# Altium PCB Dashcam_V2.0B.PcbDoc (part 5 of 8) (continued)
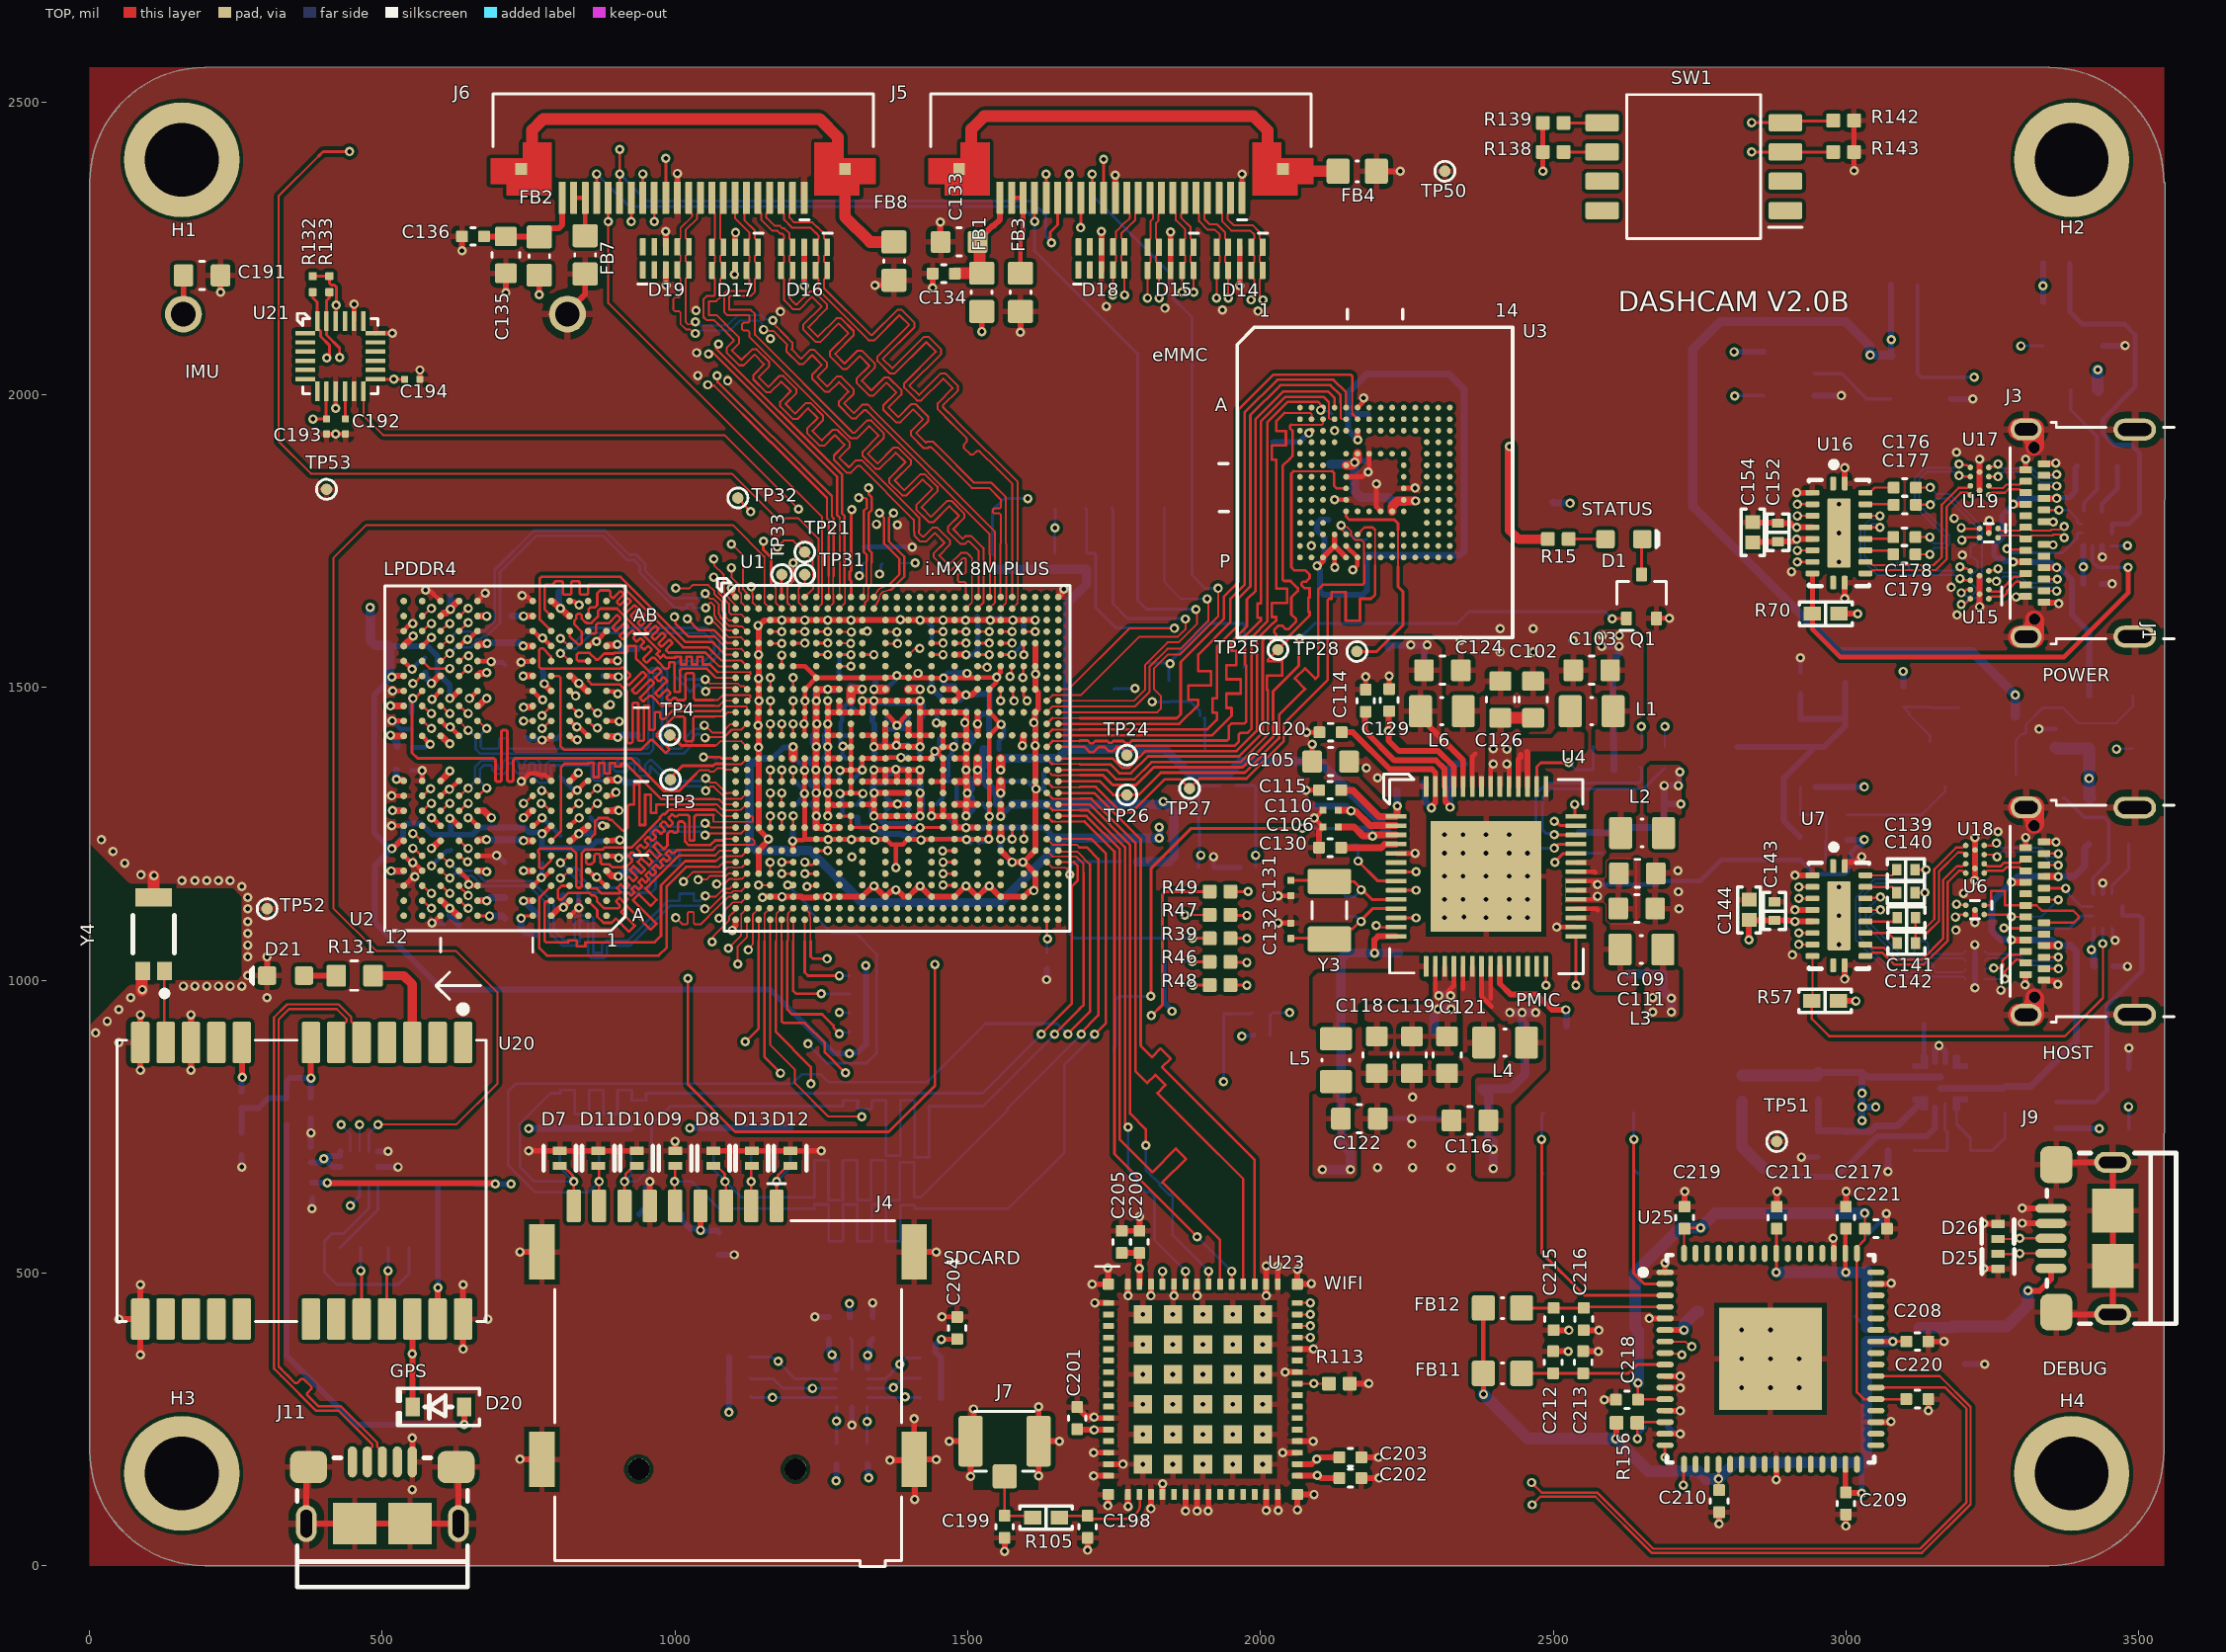
[diagram p0: TOP view]
## Nets (pads, with @x,y where several pads share a name; then routed paths per layer and width w, separated by ;. In a path a pad name is that pad's centre, name@x,y a point inside that pad or via, vN(x,y) a via of type N, cw(c..) or ccw(c..) an arc to the next point about the centre after c; other vN are vias at no path point) (continued)
  TOP w8: C193.1@404.64,1933.07 v1(420.39,1933.07) C192.1@437.01,1933.07 ; v1(420.39,1977) U21.9@420.39,2005.89 ; U21.20@451.89,2126.01 v1(451.89,2154.69) ; U21.18@488.33,2105.32 v1(517,2105.32) ; v1(516,1263.78) U2.G12@536.53,1263.78 ; v1(516,1314.96) U2.J12@536.53,1314.96 ; v2(516.74,1443.2) 516.88,1443.06 536.39,1443.06 U2.P12@536.53,1442.92 ; v2(517.74,1494.28) 517.83,1494.19 536.44,1494.19 U2.T12@536.53,1494.1 ; U2.C12@536.53,1161.42 549.11,1174 552,1174 554.75,1176.75 v1(555.58,1176.75) ; U2.E12@536.53,1212.6 537.47,1212.6 547.59,1202.48 550.43,1202.48 v1(551.95,1200.95) ; U2.V12@536.53,1545.28 536.63,1545.28 550.63,1531.28 v2(550.74,1531.28) ; U2.Y12@536.53,1596.46 537.2,1597.13 537.2,1598.23 546.72,1607.75 550.21,1607.75 v2(551.74,1609.28) ; v1@552,1201 553,1200 555.04,1200 U2.D11@568.03,1187.01 ; C194.1@564.17,2026.58 v1(564.17,2042.33) ; U2.K11@568.03,1340.55 v1(568.03,1358) ; U2.N11@568.03,1417.33 568.03,1417.18 581.79,1403.42 v2(581.79,1403.28) ; U2.W11@568.03,1570.87 568.68,1570.87 583.09,1585.28 v2(583.74,1585.28) ; v2(573.74,1666.28) 575.26,1664.75 582.41,1664.75 U2.AB10@599.52,1647.64 ; v1(583.85,1277.35) 585.95,1277.35 U2.G10@599.52,1263.78 ; v1(585,1098) 586.33,1098 598.57,1110.24 U2.A10@599.52,1110.24 ; v2@585,1480 585.42,1480 U2.T10@599.52,1494.1 ; U2.J10@599.52,1314.96 600.46,1314.96 609.98,1324.47 613.11,1324.47 v1(614.64,1326) 615.56,1326 630.1,1340.55 U2.K9@631.02,1340.55 ; U2.P10@599.52,1442.92 600.46,1442.92 609.58,1433.8 614.21,1433.8 v2(615.74,1432.28) 615.9,1432.28 630.85,1417.33 U2.N9@631.02,1417.33 ; U2.D9@631.02,1187.01 645.47,1172.55 645.47,1167.81 647.63,1165.65 v1(647.63,1163.49) ; U2.W9@631.02,1570.87 631.96,1570.87 641.85,1580.75 644.21,1580.75 v2(645.74,1582.28) 647.39,1582.28 661.57,1596.46 U2.Y8@662.52,1596.46 ; v1(646.67,1277.32) 648.68,1277.32 662.22,1263.78 U2.G8@662.52,1263.78 ; v1@647.63,1167 647.63,1165.78 651.32,1162.09 661.85,1162.09 U2.C8@662.52,1161.42 ; v2@649,1481 662.1,1494.1 U2.T8@662.52,1494.1 ; U2.E8@662.52,1212.6 694.6,1212.6 v1(695,1213) ; U2.V8@662.52,1545 685.01,1545 v2(685.74,1544.28) ; U2.AB8@662.52,1647.64 662.52,1647.85 675.74,1661.07 v2(675.74,1661.28) ; v1(737,1543) 739,1543 740.61,1544.61 756.33,1544.61 U2.V5@757,1545.28 ; v1(737.26,1339.89) 738.3,1339.89 751.72,1353.3 763.73,1353.3 766.03,1351 778.05,1351 U2.K4@788.5,1340.55 ; v2(738.74,1657.28) 740.26,1655.75 747.94,1655.75 756.05,1647.64 U2.AB5@757,1647.64 ; U2.C5@757,1161.42 757.44,1161.42 771.3,1175.28 v2(771.74,1175.28) 773.26,1176.8 777.35,1176.8 787.55,1187.01 U2.D4@788.5,1187.01 ; U2.G5@757,1263.78 757.94,1263.78 759.56,1265.39 760.85,1265.39 v2(772.74,1277.28) ; U2.T5@757,1494.1 771.1,1480 v2@772,1480 ; U2.Y5@757,1596.46 757.94,1596.46 768.41,1585.99 772.02,1585.99 v2(773.55,1584.46) ; v2(772.74,1410.29) 774.26,1411.82 782.04,1411.82 787.55,1417.33 U2.N4@788.5,1417.33 ; v2@773.89,1584.8 787.82,1570.87 U2.W4@788.5,1570.87 ; U2.G3@820,1263.78 820.66,1263.78 832.88,1276 835,1276 v1(836,1277) ; U2.J3@820,1314.96 820.94,1314.96 829.99,1324 831,1324 831.67,1324.67 v1(833,1324.67) 848.21,1339.88 850.82,1339.88 U2.K2@851.49,1340.55 ; U2.P3@820,1442.92 820.94,1442.92 831.15,1432.71 v1(832.38,1432.71) 833.91,1431.19 837.75,1431.19 851.49,1417.45 U2.N2@851.49,1417.33 ; U2.T3@820,1494.1 828.66,1485.43 v1(830.18,1485.43) ; U2.AB3@820,1647.64 820.67,1646.97 828.1,1646.97 833.88,1641.19 v2(836.04,1641.19) ; U2.A3@820.62,1109.62 834.78,1123.78 v1(835.84,1123.78) ; U2.D2@851.49,1187.01 852.43,1187.01 861.91,1177.53 864.95,1177.53 v1@866.34,1176.14 ; U2.W2@851.49,1570.87 852.43,1570.87 862.57,1581 v2@865,1581 ; v2(865.74,1578.67) 865.74,1578.94 882.99,1596.19 U2.Y1@882.99,1596.46 ; v1(866.2,1176) 866.48,1176 879.45,1163.03 880.42,1163.03 882.04,1161.42 U2.C1@882.99,1161.42 ; v1(876.19,1263.78) U2.G1@882.99,1263.78 ; U2.E1@882.99,1212.6 883.66,1211.93 898.64,1211.93 901.84,1208.73 v1(904,1208.73) ; U2.J1@882.99,1314.96 883.66,1315.63 893.63,1315.63 v1(899,1321) ; U2.P1@882.99,1442.92 883.35,1442.55 904.44,1442.55 v1(904.81,1442.19) ; U2.T1@882.99,1494.1 883.66,1493.43 895.41,1493.43 899.84,1489 v1(902,1489) ; U2.V1@882.99,1545.28 900.72,1545.28 v2@901,1545 ; J6.12@1003.94,2336.61 v1(1003.94,2378) ; v2(1096.29,1669.68) 1097.82,1668.15 1097.82,1661.09 1103.46,1655.45 U1.A1@1103.46,1654.53 ; U1.AC6@1201.88,1221.46 1201.23,1222.11 1201.23,1237.77 v1(1201,1238) 1202.53,1239.53 1219.53,1239.53 1221.57,1241.57 U1.AA7@1221.57,1260.83 U1.W7@1221.57,1300.2 1221.28,1300.48 1221.28,1318.72 v1(1221,1319) 1221.28,1319.28 1221.28,1339.28 U1.U7@1221.57,1339.57 U1.U7@1221.57,1339.57 1221.52,1358.4 v1(1221.48,1358.44) ; U1.G6@1201.88,1536.42 1221.57,1536.42 U1.H8@1241.25,1516.73 ; v1(1220.49,1437.97) 1221.03,1437.43 1221.03,1418.85 U1.N7@1221.57,1418.31 ; 1221.18,1240.75 1240.86,1240.75 U1.AB8@1241.25,1241.14 1241.64,1240.75 1261.42,1240.75 1261.8,1241.14 1262.19,1240.75 1280.23,1240.75 U1.AB10@1280.62,1241.14 1281.01,1240.75 1300.79,1240.75 1301.17,1241.14 1301.56,1240.75 1319.6,1240.75 U1.AB12@1319.99,1241.14 1320.65,1240.49 1339.51,1240.49 v1(1341,1239) 1342.49,1240.49 1358.71,1240.49 U1.AB14@1359.36,1241.14 1360.29,1241.14 1369.43,1232 1376.64,1232 1377.42,1231.22 v1@1377.42,1193.88 ; v1(1221.48,1358.44) v1(1221.48,1358.44) U1.R7@1221.57,1378.94 ; v1@1221.57,1437.21 1222,1437.65 1222,1457.25 U1.L7@1221.57,1457.68 1221.78,1457.89 1221.78,1476.78 v1(1222,1477) 1221.78,1477.22 1221.78,1496.83 U1.J7@1221.57,1497.05 U1.H8@1241.25,1516.73 ; v1(1281.49,1319.1) 1281.88,1319.49 1299.92,1319.49 U1.V11@1300.31,1319.88 ; v1(1281.49,1358.47) 1281.88,1358.86 1299.92,1358.86 U1.T11@1300.31,1359.25 ; v1@1282.93,1398.62 1283.32,1398.23 v1@1286.65,1398.23 ; v1(1286.65,1399.54) v1@1286.65,1398.23 ; U1.M11@1300.31,1437.99 U1.N11@1300.31,1418.31 U1.P11@1300.31,1398.62 ; v1(1321,1319) 1320.56,1319.44 1300.75,1319.44 U1.V11@1300.31,1319.88 ; U1.L14@1359.36,1457.68 1359.36,1456.75 1371.22,1444.9 1371.22,1444.19 1377.49,1437.92 v1@1377.49,1433.51 ; 1378.29,1232 1388.67,1232 1397.81,1241.14 U1.AB16@1398.73,1241.14 1399.39,1240.49 1419.16,1240.49 v1(1419.93,1239.72) ; v1(1378.99,1435.01) 1378.99,1435.51 1387.22,1443.74 1387.22,1445.24 1398.73,1456.75 U1.L16@1398.73,1457.68 ; v1@1419.93,1240.75 1420.19,1240.49 1437.45,1240.49 U1.AB18@1438.1,1241.14 U1.AB20@1477.47,1241.14 1477.86,1240.75 1497.64,1240.75 1498.03,1241.14 1498.42,1240.75 1516.45,1240.75 U1.AB22@1516.84,1241.14 1516.92,1241.07 1535.93,1241.07 v1(1536,1241) 1536.26,1241.26 1536.26,1260.56 1536.77,1261.07 v1@1536.77,1279.48 ; U1.U18@1438.1,1339.57 U1.U19@1457.79,1339.57 ; v1(1443.45,1390.93) 1443.45,1388.77 1438.76,1384.08 1438.76,1379.59 U1.R18@1438.1,1378.94 U1.R17@1418.42,1378.94 U1.R16@1398.73,1378.94 1398.08,1379.59 1386.96,1379.59 v1(1386,1380.55) 1385.7,1380.25 1366.01,1380.25 1365.35,1379.59 1360.02,1379.59 U1.R14@1359.36,1378.94 U1.R13@1339.68,1378.94 U1.R12@1319.99,1378.94 v1(1319.99,1359.25) U1.T11@1300.31,1359.25 ; v1(1446.23,1439.72) 1447.31,1438.65 1457.14,1438.65 U1.M19@1457.79,1437.99 U1.N19@1457.79,1418.31 U1.P19@1457.79,1398.62 ; v1(1456,425) 1456.1,424.9 C204.1@1482,424.9 ; U1.V19@1457.79,1319.88 U1.U19@1457.79,1339.57 ; v1(1476.15,1398.62) U1.P19@1457.79,1398.62 ; U1.L23@1536.53,1457.68 U1.J23@1536.53,1497.05 1549.21,1509.73 v1@1549.21,1516.73 ; U1.L23@1536.53,1457.68 v1@1557.04,1437.21 ; v1(1537.02,1279.73) 1536.77,1279.97 1536.77,1299.95 U1.W23@1536.53,1300.2 U1.U23@1536.53,1339.57 U1.R23@1536.53,1378.94 U1.N23@1536.53,1418.31 v1@1556.21,1437.99 ; v1(1549.56,1517.61) 1549.12,1517.17 1517.28,1517.17 U1.H22@1516.84,1516.73 U1.H20@1477.47,1516.73 1477.08,1516.34 1459.05,1516.34 1458.66,1516.73 1458.27,1516.34 1438.49,1516.34 U1.H18@1438.1,1516.73 U1.H16@1398.73,1516.73 1398.08,1517.39 1384.25,1517.39 1382.58,1519.06 1381.05,1519.06 1378.89,1516.9 1376.73,1519.06 1375.2,1519.06 1373.53,1517.39 1360.02,1517.39 U1.H14@1359.36,1516.73 U1.H12@1319.99,1516.73 U1.H10@1280.62,1516.73 U1.H8@1241.25,1516.73 ; v1@1549.82,1517.61 1549.82,1520.03 1555.56,1525.77 1555.56,1535.76 U1.G24@1556.21,1536.42 ; v1(2030,1098) C132.1@2051.27,1098 ; v1(2030,1144) 2051.27,1144 C131.1@2051.8,1144.53 ; v1(2077.9,1324.52) C115.2@2099.16,1324.52 ; v1(2078.9,1423.52) C120.2@2100.16,1423.52 ; C105.1@2088.3,1374.25 v1(2088.3,1403) ; C106.2@2106.8,1261.52 2092,1276.32 v1(2092,1277) 2094.75,1279.75 2096.03,1279.75 C110.2@2106.8,1290.52 ; v1(2126.53,1820.6) U3.J5@2146.22,1820.6 ; U3.P4@2126.57,1721.45 2126.77,1721.26 2126.77,1705.23 v1(2127,1705) ; U3.N5@2146.22,1741.86 U3.P6@2165.9,1722.18 2165.52,1721.8 2165.52,1708.52 v1(2158,1701) ; U3.G5@2146.22,1859.97 2173.81,1859.97 2181.84,1868 v1(2184,1868) 2185.59,1869.59 U3.E7@2185.59,1899.34 ; U3.A6@2165.9,1978.08 2165.9,1978.62 2176.11,1988.83 v1(2176.11,1994.55) ; C114.1@2179.8,1497.15 v1(2179.8,1518.42) ; v1(2198,1848) 2198,1808.19 U3.K8@2205.27,1800.92 ; C129.1@2219.8,1498.15 v1(2219.8,1519.42) ; U4.5@2231.8,1216.76 2263.76,1216.76 v1(2264,1217) ; U3.H10@2245.37,1840.3 2245.56,1840.49 2264.12,1840.49 v1(2264.32,1840.69) ; v1(2506,1091) 2506.23,1090.77 U4.30@2538.88,1090.77 ; Q1.S@2677.12,1618.12 v1(2698.39,1618.12) ; R142.1@3013.78,2468.5 R143.1@3013.78,2414.76 3013.78,2383.22 v1(3014,2383) ; v1@1286.65,1398.23 1299.92,1398.23 U1.P11@1300.31,1398.62 ; U1.V11@1300.31,1319.88 U1.U11@1300.31,1339.57 U1.T11@1300.31,1359.25 ; U1.T11@1300.31,1359.25 U1.R11@1300.31,1378.94 U1.P11@1300.31,1398.62 ; U1.U19@1457.79,1339.57 U1.T19@1457.79,1359.25 U1.R19@1457.79,1378.94 1457.79,1379.07 1446,1390.86 1446,1391 1447.53,1392.53 1450.77,1392.53 1456.86,1398.62 U1.P19@1457.79,1398.62
  TOP w10: v1(50,421.26) U20.13@86.61,421.26 ; v1(86.61,360) U20.13@86.61,421.26 ; v1(86.61,480) U20.13@86.61,421.26 ; v1(86.61,846.46) U20.12@86.61,893.7 v1(86.61,940.94) ; v1(173.23,846.46) U20.10@173.23,893.7 v1(173.23,940.94) ; v1(223.5,2175.2) C191.1@223.5,2204 ; D21.1@303.15,1007.87 v1(303.15,1040) ; J11.S@374.02,168.31 370.08,164.37 J11.S@370.08,71.85 J11.S@452.76,71.85 J11.S@547.24,71.85 J11.S@629.92,71.85 629.92,164.37 J11.S@625.98,168.31 ; v1(551,218) 551.18,217.82 J11.5@551.18,177.17 ; v1(636,2246) 636.05,2246.05 636.05,2270.41 C136.1@636.1,2270.46 ; v1(637.8,370) U20.24@637.8,421.26 v1(637.8,480) ; v1(711,2174.15) C135.1@711,2207.47 ; v1(735,181.67) 735.17,181.5 J4.SH1@772.64,181.5 ; v1(735,536) 735.17,535.83 J4.SH2@772.64,535.83 ; v1(750,708.66) D7.1@803.35,708.66 D11.1@868.96,708.66 D10.1@934.58,708.66 ; BH1.1@816.14,2137.8 816.14,2141.32 846.46,2171.64 FB7.2@846.46,2206.32 ; J4.P6@956.89,614.57 v1(956.92,656) ; v1(984,2279) 984.17,2278.83 984.17,2252.74 D19.8@984.25,2252.66 ; D19.3@984.33,2213.21 984.33,2187.13 v1(984.5,2186.95) ; D9.1@1000.2,708.66 v1(1000.2,725) ; D8.1@1065.81,708.66 D13.1@1131.43,708.66 D12.1@1197.05,708.66 v1(1250,708.66) ; v1(1097.66,1085.34) 1098.81,1086.48 1098.81,1088.81 1103.19,1093.19 1103.19,1103.08 U1.AJ1@1103.46,1103.35 ; v1(1101.6,2205.68) 1102.44,2206.52 D17.8@1102.44,2212.52 ; D17.3@1102.44,2261.73 1102.44,2276.11 v1(1103.38,2277.04) ; U1.AE3@1142.83,1182.09 U1.AC3@1142.83,1221.46 1142.83,1221.84 1147.87,1226.88 1147.87,1227.52 1159.15,1238.81 v1(1159.15,1241.14) 1159.15,1241.56 1143.1,1257.61 1143.1,1260.56 U1.AA3@1142.83,1260.83 U1.W3@1142.83,1300.2 U1.U3@1142.83,1339.57 U1.R3@1142.83,1378.94 v1(1142.83,1397.68) U1.N3@1142.83,1418.31 1142.83,1434.45 v1(1142,1435.28) 1142.56,1435.84 1142.56,1457.41 1142.98,1457.83 1142.98,1477.06 v1(1143.13,1477.21) ; v1@1142.83,1477.21 1142.98,1477.36 1142.98,1496.9 U1.J3@1142.83,1497.05 v1(1142.83,1515.68) U1.G3@1142.83,1536.42 v1(1142.83,1556.1) U1.E3@1142.83,1575.79 1142.83,1605.17 v1(1142,1606) 1143.62,1606 1152.51,1614.89 1162.24,1614.89 U1.C4@1162.51,1615.16 v1(1182.2,1615.16) U1.C6@1201.88,1615.16 v1(1221.57,1615.16) U1.C8@1241.25,1615.16 v1(1260.94,1615.16) U1.C10@1280.62,1615.16 v1(1300.31,1615.16) U1.C12@1319.99,1615.16 1320.19,1615.36 1333.63,1615.36 1333.73,1615.46 ; v1(1149.34,1141.63) 1150.16,1142.45 1162.24,1142.45 1162.52,1142.73 v1(1182.7,1142.74) U1.AG6@1201.88,1142.72 1202.15,1142.45 1216.31,1142.45 1217.55,1141.21 1239.36,1141.21 1240.87,1142.72 v1(1260.94,1142.72) U1.AG10@1280.62,1142.72 U1.AG12@1319.99,1142.72 1338.18,1160.9 v1(1339.71,1160.9) 1355.97,1144.64 1357.05,1144.64 1358.98,1142.72 U1.AG14@1359.36,1142.72 1359.75,1142.72 1370.39,1153.36 1376.28,1153.36 v1(1377.42,1154.51) ; D16.8@1220.47,2212.6 D16.3@1220.47,2251.97 ; D16.8@1220.55,2212.52 1220.55,2186.43 v1(1220.72,2186.26) ; 1333.83,1615.36 1359.17,1615.36 U1.C14@1359.36,1615.16 1359.63,1615.43 1384.38,1615.43 1384.56,1615.61 v1(1385.01,1616.06) ; v1(1341.47,2187.14) 1365.48,2187.14 FB8.2@1374.02,2195.67 ; U1.W14@1359.36,1300.2 1379.05,1300.2 1379.85,1301 v1(1380,1301) 1380.53,1300.47 1398.46,1300.47 U1.W16@1398.73,1300.2 ; v1(1367.13,179.99) 1406.96,179.99 J4.SH4@1408.46,181.5 ; v1@1378.23,1155.32 1390.56,1142.99 1398.46,1142.99 U1.AG16@1398.73,1142.72 v1@1416.92,1160.9 ; v1@1385.01,1615.16 U1.C16@1398.73,1615.16 v1(1418.42,1615.16) U1.C18@1438.1,1615.16 v1(1457.79,1615.16) U1.C20@1477.47,1615.16 1477.55,1615.08 1496.17,1615.08 v1(1496.25,1615) 1496.33,1615.08 1516.76,1615.08 U1.C22@1516.84,1615.16 1516.92,1615.08 1538.16,1615.08 v1(1538.24,1615) ; v1(1408.46,250.98) J4.SH4@1408.46,181.5 ; J4.SH3@1408.46,535.83 1445.93,535.83 v1(1446.1,535.65) ; v1(1409.45,113.19) 1409.45,180.51 J4.SH4@1408.46,181.5 ; v1(1418.45,1160.9) 1434.71,1144.64 1435.79,1144.64 1437.72,1142.72 U1.AG18@1438.1,1142.72 U1.AG20@1477.47,1142.72 v1@1495.66,1160.9 ; v1(1440,2183) 1440.1,2183.1 C134.1@1440.1,2207 ; v1(1446.1,181.32) 1445.93,181.5 J4.SH4@1408.46,181.5 ; v1(1453,2295) 1453,2261.76 C133.1@1453.74,2261.02 ; v1(1468.5,212.6) J7.2@1504.92,212.6 ; v1(1497.19,1160.9) 1498.28,1160.9 1516.46,1142.72 U1.AG22@1516.84,1142.72 v1@1535.03,1160.9 ; v1(1504.92,152.56) J7.2@1504.92,212.6 ; v1(1510,267.72) 1510,217.68 J7.2@1504.92,212.6 ; v1(1536.56,1160.9) 1552.82,1144.64 1553.9,1144.64 1555.83,1142.72 U1.AG24@1556.21,1142.72 U1.AG26@1595.58,1142.72 1595.97,1142.72 1605.08,1151.83 1611.74,1151.83 v1(1612.89,1152.97) 1612.89,1154.59 1615.27,1156.97 U1.AE27@1615.27,1182.09 1595.58,1201.77 v1(1594.2,1201.8) ; v1@1538.24,1615.16 U1.C24@1556.21,1615.16 1575.9,1615.16 v1(1576.86,1615.16) U1.C26@1595.58,1615.16 v1(1615.27,1615.16) ; U1.AC24@1556.21,1221.46 v1(1575.92,1201.75) 1594.18,1201.77 1595.31,1201.8 1614.97,1221.46 U1.AC27@1615.27,1221.46 U1.AA27@1615.27,1260.83 U1.W27@1615.27,1300.2 1615.54,1300.47 1615.54,1325.81 v1(1616.48,1326.74) 1615.54,1327.68 1615.54,1339.3 U1.U27@1615.27,1339.57 U1.R27@1615.27,1378.94 1615.27,1400.71 v1(1615.37,1400.81) 1615.32,1400.86 1615.32,1418.26 U1.N27@1615.27,1418.31 1615.27,1437.73 v1(1613,1440) 1613,1441.62 1615,1443.62 1615,1457.41 U1.L27@1615.27,1457.68 1615.27,1458.06 1620.25,1463.05 1620.25,1491.68 1615.27,1496.66 U1.J27@1615.27,1497.05 1615.49,1497.27 1615.49,1522.82 v1(1615.71,1523.04) ; v1(1562.99,24.61) C199.1@1562.99,47.44 ; v1(1590,2107) FB3.2@1590,2142.32 ; U1.E27@1615.27,1575.79 U1.G27@1615.27,1536.42 1615.49,1536.2 v1@1615.49,1523.04 ; v1(1621.06,153.54) J7.3@1621.06,212.6 ; v1(1621.06,271.65) J7.3@1621.06,212.6 ; U1.A29@1654.64,1654.53 1654.64,1654.91 1664,1664.27 v1(1664,1668) ; v1(1656.5,212.6) J7.3@1621.06,212.6 ; C201.1@1687,270.87 1703.84,254.03 1715.97,254.03 1717.62,254 1719.57,252.05 1740.08,252.05 U23.12@1740.16,251.97 ; v1(1704.72,26.57) C198.1@1704.72,47.44 ; v1(1712.6,480.83) U23.1@1740.16,480.83 1739.67,481.32 1739.67,508.37 v1(1739.17,508.86) ; v1(1715,153.54) U23.17@1740.16,153.54 ; v1(1715,193) U23.15@1735.64,193 ; v1(1717,449) 1717.18,448.82 U23.2@1740.16,448.82 ; D18.3@1728.35,2213.29 D18.8@1728.35,2252.66 v1(1728.35,2279) ; U23.15@1735.65,192.99 1740.08,192.99 U23.15@1740.16,192.91 ; v1(1739.17,102.36) 1739.67,102.85 1739.67,121.04 U23.18@1740.16,121.54 ; U23.16@1740.16,173.23 v1(1765,173.23) ; J5.12@1751.97,2336.61 v1(1751.97,2375) ; C205.1@1763,571.9 C200.1@1793.31,571.9 v1(1793.31,596) ; v1(1773.62,101.38) U23.19@1773.62,121.54 ; v1(1773.62,461) U23.64@1773.62,480.83 ; v1(1812.99,97.44) U23.21@1812.99,121.54 ; v1(1812.99,461) U23.62@1812.99,480.83 ; U23.22@1832.68,121.54 1832.76,121.61 1832.76,139.76 v1(1833,140) ; D15.8@1846.46,2212.6 D15.3@1846.46,2251.97 v1(1846.46,2278.31) ; v1(1852.36,461) U23.60@1852.36,480.83 ; v1(1872.05,93.5) U23.24@1872.05,121.54 ; v1(1891.73,93.5) U23.25@1891.73,121.54 ; v1(1891.73,461) U23.58@1891.73,480.83 ; v1(1910.43,93.5) 1911.34,94.41 1911.34,121.46 U23.26@1911.42,121.54 ; v1(1964.57,2186.26) D14.8@1964.57,2212.6 D14.3@1964.57,2251.97 ; v1(2009.84,94.49) U23.31@2009.84,121.54 ; v1(2009.84,461) U23.52@2009.84,480.83 v1(2009.84,511.81) ; U23.32@2029.53,121.54 2029.61,121.46 2029.61,95.39 v1(2030.51,94.49) ; U23.51@2029.53,480.83 v1(2029.53,511.81) ; v1(2038,193) v1(2038,193) 2062.95,192.96 U23.36@2062.99,192.91 ; v1(2042,330.71) U23.43@2062.99,330.71 ; v1(2062.99,95.47) U23.33@2062.99,121.54 v1(2091.54,121.54) ; U23.37@2062.99,212.6 v1(2090,212.6) ; U23.45@2062.99,370.08 v1(2090.55,370.08) ; v1(2063,506) U23.50@2062.99,480.83 2063.58,481.41 2086.41,481.41 v1(2087,482) ; C130.1@2099.9,1226.52 2099.9,1254.61 2106,1260.72 C106.2@2106,1261 ; R113.1@2152.36,311.02 v1(2185.04,311.02) ; C202.1@2172.44,149.61 v1(2202.76,149.61) ; C203.1@2172.44,185.04 v1(2201.77,185.04) ; FB4.2@2198.03,2381.89 2238.89,2381.89 v1(2239,2382) ; C212.1@2499.71,366.16 2525.64,366.16 v1(2525.82,365.98) ; C215.1@2500.71,402.18 2526.64,402.18 v1(2526.82,402) ; C213.1@2550.89,366.16 2576.82,366.16 v1(2577,365.98) ; C216.1@2551.71,402.36 2551.89,402.18 2577.82,402.18 v1(2578,402) ; v1(2587.4,283.46) C218.1@2606.93,283.46 ; v1(2664,422.25) U25.5@2681.3,422.25 ; U25.15@2690.77,225.22 2716.7,225.22 v1(2716.88,225.04) ; U25.13@2690.77,264.59 2716.7,264.59 v1(2716.88,264.41) ; U25.11@2690.77,303.96 2716.7,303.96 v1(2716.88,303.78) ; U25.10@2690.77,323.64 2716.7,323.64 v1(2716.88,323.46) ; U25.1@2691.06,500.52 U25.1@2691.06,500.99 v1(2691.06,516.99) ; C219.1@2724.59,613.1 2724.59,639.02 v1(2724.77,639.2) ; v1(2783.46,71.65) C210.1@2783.46,91.18 ; C154.1@2841,1782.32 2841.79,1781.54 2883.21,1781.54 C152.1@2884,1780.75 2905.62,1780.75 2911.81,1774.56 2914.84,1774.56 v1(2915.99,1773.41) ; v1(2881.02,147) U25.25@2881.02,163.47 ; C211.1@2882.07,613.1 2882.07,639.02 v1(2882.25,639.2) ; v1(2913,1120.08) U7.5@2942.91,1120.08 ; v1(2913,1179.13) U7.2@2942.91,1179.13 ; v1@2915.99,1773.62 U16.5@2942.91,1773.62 ; v1(2916,1832.68) U16.2@2942.91,1832.68 ; v1(2978.27,559.37) 2979.37,558.27 2979.37,533.55 U25.51@2979.45,533.47 ; v1(2998.03,1002) U7.11@2998.03,1025.59 ; U7.20@2998.03,1194.88 2998.03,1201.62 2998.11,1201.69 3015.96,1201.69 3025.36,1211.1 v1(3026.98,1211.1) ; v1(2998.03,1652.22) U16.11@2998.03,1679.13 ; U16.20@2998.03,1848.43 v1(2998.03,1875.34) ; v1(3000,67.72) C209.1@3000,87.24 ; C217.1@3000.18,613.1 3000.18,639.02 v1(3000.36,639.2) ; U25.47@3051.38,481.38 3076.1,481.38 v1(3077.2,482.48) ; U25.35@3061.06,245.16 3076.16,245.16 v1(3077,246) ; v1(3069.02,601.49) 3070.12,600.39 C221.1@3070.12,575.67 ; v1(3140.94,264.77) 3140.94,284.3 C220.1@3141.02,284.38 ; C208.1@3141.02,382.96 3141.1,382.88 v1(3167.54,382.88) ; v1@3219.49,1170.28 3220.47,1171.26 U18.B2@3220.47,1190.94 U18.B1@3220.47,1222.44 v1(3220.47,1244) ; v1(3220.47,1098.43) U6.B1@3220.47,1120.08 ; v1(3228.35,1638) U15.B2@3228.35,1659.45 U15.B1@3228.35,1690.94 ; U17.B2@3228.35,1836.61 U17.B1@3228.35,1868.11 v1(3228.35,1890) ; v1(3235,507.87) 3235.49,507.38 D25.1@3259.35,507.38 ; v1(3235,584.65) 3235.49,584.15 3259.35,584.15 D26.1@3259.84,583.66 ; U19.B1@3244.09,1763.78 3244.09,1784.09 v1(3245,1785) ; v1(3290.75,1654.91) 3306.48,1654.91 J3.A1@3307.09,1655.51 ; v1(3301,585) 3301.35,584.65 J9.4@3350.39,584.65 ; v1(3301,610.59) 3301.35,610.24 J9.5@3350.39,610.24 ; v1(3306,992) 3306.54,992.54 3306.54,1009.3 J1.A1@3307.09,1009.84 ; v1(3307,1890) v1(3307,1890) 3307.04,1872.09 J3.A12@3307.09,1872.05 ; v1(3307.09,1244) 3307.09,1227.28 3307.45,1226.92 J1.A12@3307.63,1226.92 ; J1.B12@3338.58,1000 3339.49,999.09 3354.29,999.09 3360.38,993 v1(3362,993) ; J3.B12@3338.58,1645.67 3339.49,1644.76 3360.32,1644.76 3361.81,1643.28 v1(3363.43,1643.28) ; J3.B1@3338.98,1881.5 3340.21,1882.73 3357.94,1882.73 v1(3358.78,1883.57) ; J1.B1@3339.13,1235.68 3339.56,1236.11 3358.89,1236.11 v1(3359,1236) ; J9.S@3359.25,433.07 3363.19,429.13 J9.S@3455.71,429.13 J9.S@3455.71,511.81 J9.S@3455.71,606.3 J9.S@3455.71,688.98 3363.19,688.98 J9.S@3359.25,685.04
  TOP w20: v1@89,982 89,1014.2 Y4.2@90.55,1015.75 ; v1@109,1178 109.25,1177.75 Y4.3@109.25,1141.73
  BOTTOM w6: U9.10@3454.72,1088.58 3455.66,1087.65 3455.66,1075.04 3460,1070.7 v1(3460,1068)
  BOTTOM w8: v2(516.74,1443.2) 531.03,1428.9 R1.1@550.14,1428.9 ; C82.1@536.14,1159.69 538.15,1161.69 540.52,1161.69 v1(555.58,1176.75) ; C83.1@550.14,1358.68 550.48,1358.34 567.69,1358.34 v1(568.03,1358) ; v2(550.74,1531.28) 564.87,1545.41 567.89,1545.41 C86.1@573.14,1550.67 ; C84.1@551.13,1397.68 574.03,1397.68 579.63,1403.28 v2(581.79,1403.28) ; v1(583.87,1195.22) 609.33,1220.68 615.14,1220.68 C74.1@617.14,1222.69 ; v1(585,1098) 586.16,1096.84 603.99,1096.84 C81.1@605.15,1095.68 ; v2(685.74,1544.28) 687.26,1542.75 705.17,1542.75 C77.1@709.14,1538.78 ; 745.86,1415.68 752.73,1408.8 752.73,1410.88 753.67,1411.82 771.21,1411.82 v2(772.74,1410.29) ; v2(771.74,1175.28) 772.44,1175.98 772.44,1198.98 C75.1@773.14,1199.69 ; v2(772.74,1410.29) 774.26,1411.82 797,1411.82 804.14,1418.96 ; v2(772.74,1277.28) 773.83,1277.28 804.14,1246.96 ; 804.14,1347.39 825.33,1326.2 831.8,1326.2 v1@832,1326 ; C80.1@835.13,1144.68 835.13,1124.66 835.84,1123.95 v1(835.84,1123.78) ; C91.1@856.14,1277.67 868.51,1265.31 874.66,1265.31 v1(876.19,1263.78) ; C76.1@877.14,1211.69 898.89,1211.69 901.84,1208.73 v1(904,1208.73) 906.16,1208.73 910.1,1212.67 C79.1@936.14,1212.67 ; C59.1@1205.15,1378.68 1219.95,1363.87 1219.95,1359.97 v1(1221.48,1358.44) ; C60.1@1206.15,1338.68 1219.47,1325.35 1219.47,1320.53 v1(1221,1319) ; C41.1@1279.13,1338.68 1280.31,1339.86 1280.31,1357.3 v1(1281.49,1358.47) ; C55.1@1279.7,1521.54 1279.7,1541.67 1281.13,1543.1 1281.13,1557.53 ; C40.1@1281.13,1417.68 1281.46,1418 1302.57,1418 C25.1@1303.24,1418.68 ; v1(1281.49,1319.1) 1281.49,1316.94 1285.13,1313.3 1285.13,1301.68 C47.1@1287.13,1299.68 1286.14,1298.69 1286.14,1279.67 C2.1@1285.15,1278.68 ; C55.1@1282,1522 1287.45,1516.55 1316.28,1516.55 C18.1@1317.15,1515.68 C18.1@1318.3,1516.83 ; v1@1282.93,1400.78 1282.93,1398.62 1282.93,1396.46 1286.04,1393.35 1286.04,1384.68 C38.1@1292.04,1378.68 ; v1(1286.65,1399.54) 1282.93,1403.26 1282.93,1440.15 1285.13,1442.35 1285.13,1456.67 1289.14,1460.68 1289.14,1468 C8.1@1298.7,1477.56 1300.7,1475.56 1300.7,1468.12 C28.1@1310.15,1458.68 ; C11.1@1300.74,1339.18 C11.1@1301.24,1339.68 1319.99,1358.43 v1(1319.99,1359.25) 1319.99,1361.41 1318.15,1363.25 1318.15,1375.67 C52.1@1316.15,1377.68 ; C20.1@1310.15,1299.68 1317.15,1306.68 1317.15,1312.99 1321,1316.84 v1(1321,1319) ; R3.2@1322.8,1740.3 R5.2@1354.8,1740.3 R4.1@1386.8,1740.3 1386.95,1740.15 1404.85,1740.15 v1(1405,1740) ; C12.1@1361.14,1380.67 1361.2,1380.61 1385.94,1380.61 v1(1386,1380.55) 1387.5,1382.05 1394.2,1382.05 C13.1@1395.7,1383.54 ; C26.1@1361.14,1447.69 1363.15,1445.68 1367.41,1445.68 1378.08,1435.01 v1(1378.99,1435.01) 1379.73,1435.75 1387.2,1435.75 C27.1@1399.14,1447.69 ; C1.1@1361.24,1497.68 1377.36,1513.8 1377.36,1519.06 v1(1378.89,1520.59) ; C31.1@1362.7,1426.54 1364.7,1428.55 1373.46,1428.55 v1@1379,1434.09 ; v1@1379,1432 1380.09,1433.09 1382.29,1433.09 1385.7,1429.68 1394.56,1429.68 C32.1@1395.7,1428.54 ; v1@1419,1615 1420.37,1613.63 1430.37,1613.63 1438.8,1605.2 C65.1@1438.8,1583.51 ; v1(1419.93,1239.72) 1420.96,1240.75 1464.11,1240.75 C33.1@1465.14,1241.78 1497.5,1241.78 1504.6,1234.69 ; C53.1@1443.13,1378.68 1443.29,1378.84 1443.29,1390.77 v1(1443.45,1390.93) ; v1@1444.62,1389.76 v1@1445.93,1391.07 ; v1@1446,1391.07 1446,1393.16 1452.04,1399.2 1452.04,1412.68 C29.1@1458.04,1418.68 ; v1(1446.23,1439.72) 1447.51,1441.01 1447.51,1457.06 1450.13,1459.68 1471.15,1459.68 C48.1@1472.15,1460.68 ; C21.1@1447.13,1300.68 1457.6,1311.14 C19.1@1457.6,1339.55 ; v1@1458,1515 1458.9,1514.1 C43.1@1458.9,1503.91 ; v1(1458.66,1515.95) 1458.66,1518.11 1465,1524.46 1465,1525.31 1496.69,1525.31 v1@1497,1525 ; C43.1@1459,1504 1459.33,1503.67 C44.1@1478.14,1503.67 ; v1@1459,1516 1458.9,1515.9 C43.1@1458.9,1503.91 ; C43.1@1459.14,1503.67 C43.1@1458.9,1503.91 ; C51.1@1482.15,1301.68 1481.15,1302.68 1481.15,1339.56 1481.09,1339.61 C19.1@1457.6,1339.55 C19.1@1457.6,1339.55 ; C49.1@1482.15,1417.68 1480.15,1415.67 1480.15,1404.78 1476.15,1400.78 v1(1476.15,1398.62) 1476.15,1396.46 1472.8,1393.12 1472.8,1386.55 C46.1@1466.8,1380.55 1466.8,1348.76 C19.1@1457.6,1339.55 ; C35.1@1519.14,1234.69 1521.15,1236.69 1529.53,1236.69 1533.84,1241 v1(1536,1241) ; C16.1@1525.15,1301.68 1535.87,1290.96 1535.87,1280.88 v1(1537.02,1279.73) ; C9.1@1553.13,1393.68 1553.13,1408.13 1559.67,1414.67 1560.13,1414.67 C36.1@1562,1416.54 ; v1@1557,1437 1557,1435.13 1561.72,1430.42 1561.72,1417.09 C36.1@1562.13,1416.68 ; C10.1@1559.13,1339.68 1601.39,1339.68 1614.32,1326.74 v1(1616.48,1326.74) 1616.52,1326.71 C17.1@1630.14,1326.67 1630.14,1326.74 C5.1@1630.14,1353.69 ; v1(1920,1211) 1919.89,1210.89 1919.89,1192.63 C66.1@1919.79,1192.52 1965.52,1192.52 C67.1@1966,1193 ; C123.1@2201.29,763.52 2201.5,763.72 v1(2258.57,763.72) 2328.09,763.72 C117.1@2328.3,763.52 ; C150.1@2922.24,1526.77 v1(2922.24,1551) ; v1(2924,698) 2952.59,698 R55.1@2952.76,697.83 ; C223.1@3036,566.5 3037.97,566.5 3067.5,596.02 3067.5,599.96 v1(3069.02,601.49) ; v1(3220.37,1060.9) 3220.47,1060.8 U27.B2@3220.47,1042.32 ; v1(3330,1429) 3330.13,1429.13 C148.1@3358.27,1429.13 ; v1(3438.74,1165.82) 3439.33,1165.23 U9.4@3439.33,1147.28
  BOTTOM w10: v1(259.84,681.1) C190.2@259.84,701.57 ; C195.1@377.95,714.57 v1(377.95,739.37) R129.1@377.95,763.78 ; v1(380,610) C196.1@380,628.01 ; U22.5@492.62,707.67 v1(509.84,707.67) ; U22.6@493.6,681.1 526.9,681.1 v1(527,681) ; v1@695,1214 697.14,1211.86 698.07,1211.86 C78.1@708.14,1201.78 ; C184.1@938.58,600 949.33,610.75 949.33,646.79 956.92,654.38 v1(956.92,656) ; C185.1@1075,531.1 1100.9,531.1 v1(1101,531) ; v1@1200,1240 1200.36,1240 1201.12,1240.76 1201.12,1259.56 C58.1@1201.24,1259.68 ; C61.1@1207.15,1300.68 1219.86,1313.38 1219.86,1317.86 v1(1221,1319) ; v1(1239,424.9) 1239.57,424.33 C207.1@1262.79,424.33 ; v1(1302.16,240) U24.6@1302.16,270.67 ; C206.1@1337.59,424.9 v1(1337.59,449) ; C22.1@1361.14,1291.67 1369.33,1299.86 1378.86,1299.86 v1(1380,1301) ; C14.1@1361.14,1311.69 1370.68,1302.14 1378.86,1302.14 v1(1380,1301) ; C15.1@1396.7,1310.56 1388.29,1302.14 1381.14,1302.14 v1(1380,1301) ; C23.1@1399.14,1291.67 1390.96,1299.86 1381.14,1299.86 v1(1380,1301) ; 1478.14,1524.86 v1@1497.86,1524.86 ; v1(1538.24,1615) 1539.86,1615 1541.53,1616.68 1552.68,1616.68 C63.1@1556,1620 ; C64.1@1595.14,1603.67 1595.14,1615.86 1615.14,1615.86 v1@1616,1615 ; v1(1634.8,1001) R6.1@1634.8,1019.74 ; C214.1@2695.9,237 2706.71,226.18 2715.74,226.18 v1(2716.88,225.04) ; R155.1@2793.5,434 2796.46,434 2820.82,409.63 2820.82,403.71 v1(2821.97,402.57) ; v1(2920.39,304.14) v1(2920.39,353.35) 2920.39,354.97 2922.64,357.22 2922.64,384.25 U26.1@2944.88,406.5 ; U11.3@2946,1998.6 v1(2992,1998.6) ; U5.8@3152.56,860.24 3152.56,882.56 3158.52,888.52 v1(3159,888.52) ; v1@3159,889 3159.28,889 3170.28,878 U5.9@3170.28,860.24 ; U14.3@3179.18,1992.6 3216.6,1992.6 v1(3217,1993) ; C222.1@3203,344.5 3203.25,344.25 3236.75,344.25 v1(3237,344) ; v1(3220.47,987) U27.B1@3220.47,1009.84 U27.B2@3220.47,1041.34 ; C149.1@3437.01,1677 v1(3454.72,1677) ; U13.10@3437.01,1742.13 3437.63,1741.5 3437.63,1723.63 v1(3438.26,1723) ; U12.3@3439.18,2083.6 3476.6,2083.6 v1(3477,2084) ; C145.1@3456.69,1023.62 v1(3481,1023.62) ; U8.3@3483.4,849.18 v1(3483.4,884)
  BOTTOM w11.81: R56.1@3071.85,708.66 3071.85,673.15 v1(3072,673)
  other v1: 551.18,130 1799.21,173.23 1850.39,173.23 1901.57,173.23 1952.76,173.23 2003.94,173.23 1799.21,224.41 1850.39,224.41 1901.57,224.41 1952.76,224.41 2003.94,224.41 1716,254 1799.21,275.59 1850.39,275.59 1901.57,275.59 1952.76,275.59 2003.94,275.59 2821.97,304.14 2871.18,304.14 1799.21,326.77 1850.39,326.77 1901.57,326.77 1952.76,326.77 2003.94,326.77 2821.97,353.35 2871.18,353.35 1799.21,377.95 1850.39,377.95 1901.57,377.95 1952.76,377.95 2003.94,377.95 2871.18,402.57 680,421.26 1799.21,429.13 1850.39,429.13 1901.57,429.13 1952.76,429.13 2003.94,429.13 2200.06,680.2 2259.77,680.2 2326.07,680.2 2258.57,720.2 2259.77,800.2 50,893.7 10,910 30,930 50,950 70,970 303.15,970 3264.66,983.14 90,984 160,990 180,990 200,990 220,990 240,990 260,990 270,1007.87 270,1040 2908.46,1043.31 270,1060 270,1080 3187.89,1085.5 270,1100 2314.47,1106.75 2385.34,1106.75 2424.71,1106.75 2456.2,1106.75 2347.86,1108.05 270,1122.05 2715,1122.23 2314.47,1138.24 2345.97,1138.24 2385.34,1138.24 2424.71,1138.24 2456.2,1138.24 270,1141.73 3200.68,1148.5 2714,1151.23 260,1160 157.48,1170.28 180,1170 200,1170 220,1170 240,1170 3220.37,1170.15 2314.47,1177.61 2345.97,1177.61 2385.34,1177.61 2424.71,1177.61 2456.2,1177.61 110,1179 87.6,1180 2713,1187.29 1377.42,1192.5 60,1200 1302.03,1210.5 2314.47,1216.98 2345.97,1216.98 2385.34,1216.98 2424.71,1216.98 2456.2,1216.98 40,1220 20,1240 1261.8,1240.36 1301.17,1240.36 1498.03,1240.36 2314.47,1248.48 2345.97,1248.48 2385.34,1248.48 2424.71,1248.48 3259.74,1253.81 1557.08,1437.21 1414.87,1524.22 1498.87,1524.22 3189.86,1623.89 3180.02,1671.13 2906.9,1697.87 3198.72,1726.25 2087,1742 1379.9,1777.87 1344.01,1778.87 3185,1789 3188.9,1901.87 2126.53,1938.71 1089.9,2023.87 1039,2033 1036.9,2071.87 1163,2096 1180,2142 1995.9,2142.87 1035.9,2143.87 1934.9,2144.87 1836.9,2147.87 1736.82,2151
  other v2: 773.74,1479.28 584.74,1480.28 648.66,1481.32 901.74,1545.56 2409.59,1560.52 2465.59,1560.52 2342.09,1580.52 2534.09,1580.52 2409.59,1600.52 2465.59,1600.52
  other v4: 2988.19,1061.02 2988.19,1110.24 2988.19,1159.45 2988.19,1714.57 2988.19,1763.78 2988.19,1812.99
  other v5: 3322.31,971.11 3321.31,1264.11 3322.31,1616.78 3321.31,1909.78